# Altium PCB FMC_ADC_250M_16B_4ch_pcb.PcbDoc (part 5 of 8)
Units mm, origin at the board's own origin, x right, y up, seen from the top; angles counter-clockwise.
Board outline 76.75 x 69 mm, 8 copper layers (Top Layer, GND(SMAGND), L3, GND, L5, GND (Plane2), Power, Bottom Layer), stack 1.363 mm thick; 374 components, 427 nets, 2157 pads, 1340 vias.
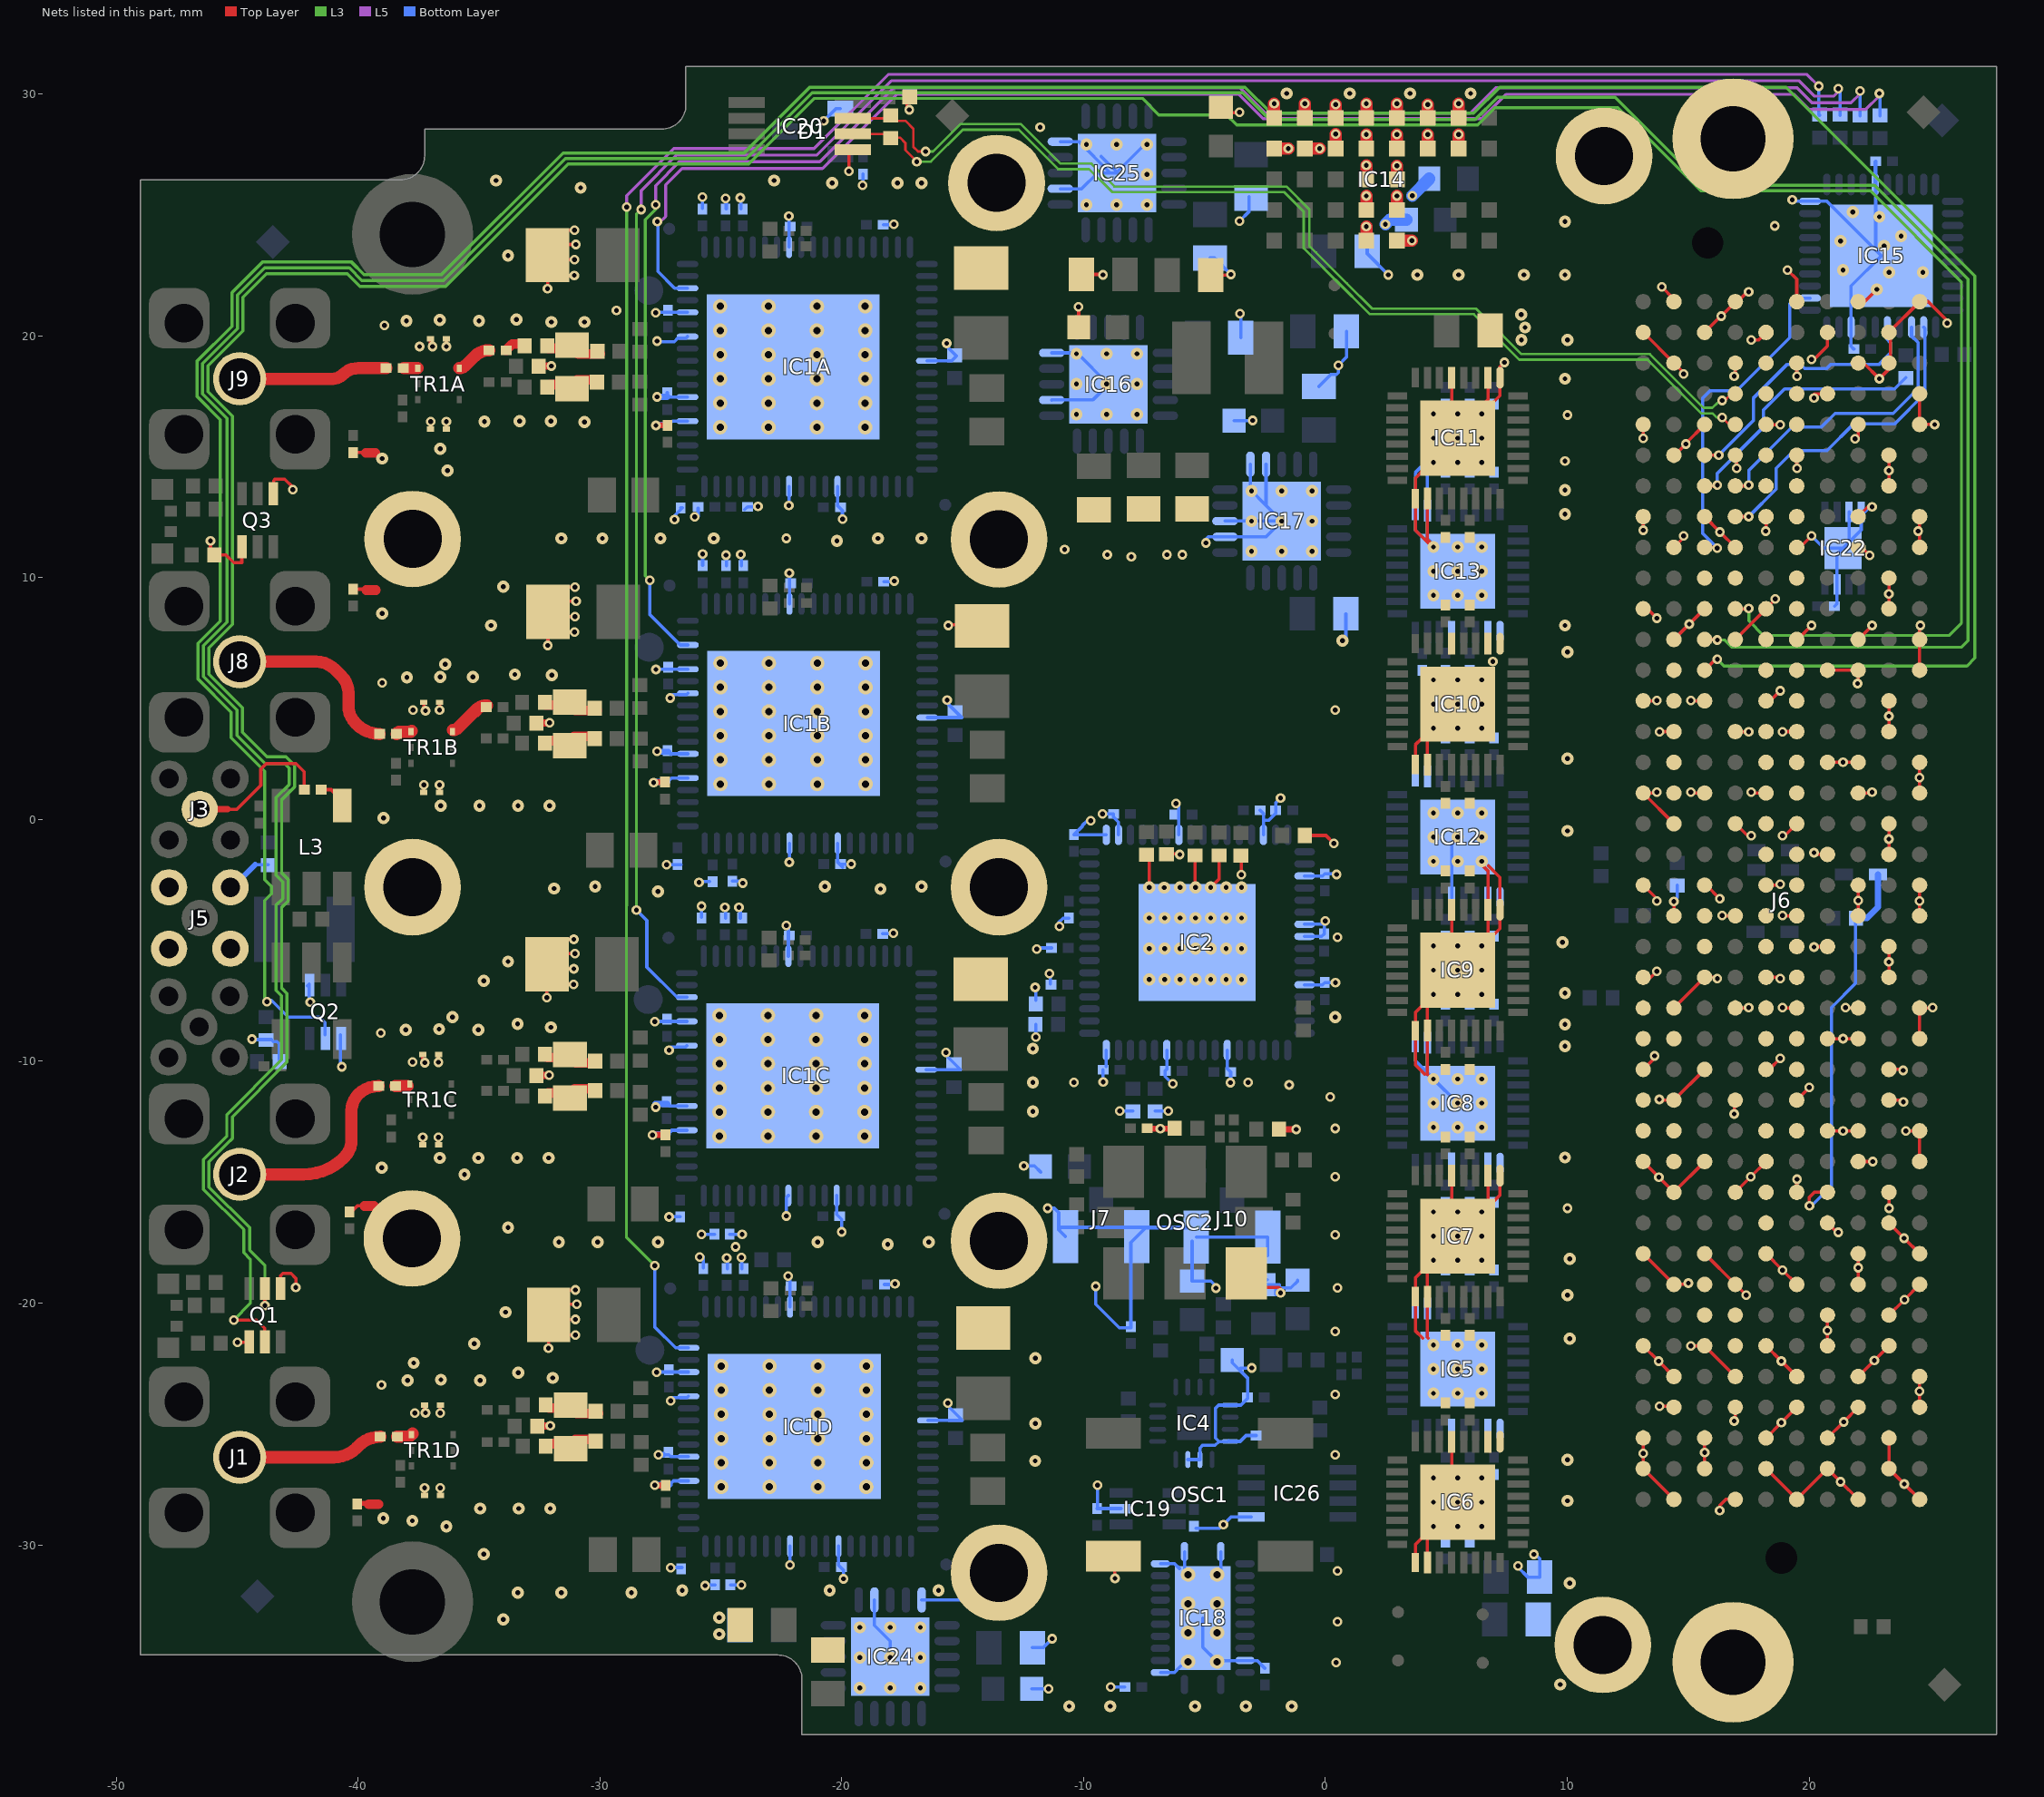
[diagram p11: the nets of this part, all layers, seen from the top]

## Via types
v1: diameter 0.4, hole 0.2, Top Layer to Bottom Layer, tented both sides, 961 vias
v2: diameter 0.5, hole 0.2, Top Layer to Bottom Layer, tented both sides, 351 vias
v3: diameter 0.4, hole 0.2, Top Layer to Bottom Layer, 13 vias
v4: diameter 0.5, hole 0.25, Top Layer to Bottom Layer, tented both sides, 8 vias
v5: diameter 0.6, hole 0.3, Top Layer to Bottom Layer, tented both sides, 7 vias

## Nets (pads, with @x,y where several pads share a name; then routed paths per layer and width w, separated by ;. In a path a pad name is that pad's centre, name@x,y a point inside that pad or via, vN(x,y) a via of type N, cw(c..) or ccw(c..) an arc to the next point about the centre after c; other vN are vias at no path point) (continued)
GND: B1.1 B4.1 B5.1 B6.1 B7.1 B8.1 B9.1 B10.1 B11.1 B14.1 B15.1 B16.1 C1A.1 C1B.1 C1C.1 C1D.1 C2A.1 C2B.1 C2C.1 C2D.1 C3A.1 C3B.1 C3C.1 C3D.1 C4A.1 C4B.1 C4C.1 C4D.1 C5A.1 C5B.1 C5C.1 C5D.1 C6A.1 C6B.1 C6C.1 C6D.1 C9A.2 C9B.2 C9C.2 C9D.2 C10A.1 C10B.1 C10C.1 C10D.1 C11A.1 C11B.1 C11C.1 C11D.1 C12A.1 C12B.1 C12C.1 C12D.1 C13A.2 C13B.2 C13C.2 C13D.2 C18A.2 C18B.2 C18C.2 C18D.2 C22.1 C23.1 C24A.1 C24B.1 C24C.1 C24D.1 C25.2 C26.1 C27.1 C28.1 C29.1 C30.1 C31.1 C32.1 C33.1 C34.1 C35.1 C36.2 C37.1 C38.2 C39.2 C40.2 C41.2 C42.2 C43.2 C44.2 C45.2 C46.2 C47.1 C48.1 C49.1 C50.1 C52.2 C55.1 C56A.1 C56B.1 C56C.1 C56D.1 C59.1 C62.1 C63.2 C64.1 C65.1 C66.1 C67.1 C68.1 C69.2 C70.2 C71.2 C72.2 C73.2 C74.2 C75.2 C76.2 C77.2 C78.1 C79.1 C80.1 C81.1 C82.1 C83.1 C84.1 C85.1 C86.1 C87.1 C88.1 C89.1 C90.1 C91.1 C92.1 C93.1 C94.1 C95.1 C96.1 C97.1 C98.1 C99.1 C100.1 C101.1 C102.1 C103.1 C104.1 C105.1 C106.1 C107.1 C108.1 C109.1 C110.1 C111.1 C112.1 C113.1 C114.1 C115.1 C116.1 C117.1 C118.1 C119.1 C120.1 C121.1 C122.1 C123.2 C125.2 C126.2 C127.1 C128.2 C129.1 C130.1 C131.2 C132.2 C133A.1 C133B.1 C133C.1 C133D.1 D1.1 IC1A.5 IC1A.7 IC1A.12 IC1A.14 IC1A.26 IC1A.45 IC1A.61 IC1A.65 IC1A.73 IC1B.5 IC1B.7 IC1B.12 IC1B.14 IC1B.26 IC1B.45 IC1B.61 IC1B.65 IC1B.73 IC1C.5 IC1C.7 IC1C.12 IC1C.14 IC1C.26 IC1C.45 IC1C.61 IC1C.65 IC1C.73 IC1D.5 IC1D.7 IC1D.12 IC1D.14 IC1D.26 IC1D.45 IC1D.61 IC1D.65 IC1D.73 IC2.3 IC2.7 IC2.8 IC2.12 IC2.22 IC2.27 IC2.32 IC2.49 IC2.50 IC2.55 IC2.62 IC2.65 IC4.9 IC4.12 IC4.14 IC4.15 IC5.0 IC5.1 IC5.2 IC5.5 IC5.17 IC5.18 IC6.0 IC6.1 IC6.2 IC6.5 IC6.17 IC6.18 IC7.0 IC7.1 IC7.2 IC7.5 IC7.17 IC7.18 IC8.0 IC8.1 IC8.2 IC8.5 IC8.17 IC8.18 IC9.0 IC9.1 IC9.2 IC9.5 IC9.17 IC9.18 IC10.0 IC10.1 IC10.2 IC10.5 IC10.17 IC10.18 IC11.0 IC11.1 IC11.2 IC11.5 IC11.17 IC11.18 IC12.0 IC12.1 IC12.2 IC12.5 IC12.17 IC12.18 IC13.0 IC13.1 IC13.2 IC13.5 IC13.17 IC13.18 IC14.B1 IC14.B2 IC14.C1 IC14.C2 IC14.D1 IC14.D2 IC14.D3 IC14.D4 IC14.D5 IC14.E1 IC14.E2 IC14.E3 IC14.E4 IC14.E5 IC14.F1 IC14.F2 IC14.G1 IC14.G2 IC14.H1 IC14.H2 IC15.10 IC15.15 IC15.38 IC15.41 IC16.7 IC16.10 IC16.21 IC17.7 IC17.8 IC17.11 IC17.12 IC17.21 IC18.2 IC18.11 IC18.12 IC18.13 IC18.22 IC18.25 IC19.2 IC20.5 IC22.3 IC22.4 IC22.7 IC22.9 IC24.7 IC24.10 IC24.21 IC25.7 IC25.10 IC25.21 IC26.1 J5.2 J6.a1 J6.a4 J6.a5 J6.a8 J6.a9 J6.a12 J6.a13 J6.a16 J6.a17 J6.a20 J6.a21 J6.a24 J6.a25 J6.a28 J6.a29 J6.a32 J6.a33 J6.a36 J6.a37 J6.a40 J6.b2 J6.b3 J6.b6 J6.b7 J6.b10 J6.b11 J6.b14 J6.b15 J6.b18 J6.b19 J6.b22 J6.b23 J6.b26 J6.b27 J6.b30 J6.b31 J6.b34 J6.b35 J6.b38 J6.b39 J6.c1 J6.c4 J6.c5 J6.c8 J6.c9 J6.c12 J6.c13 J6.c16 J6.c17 J6.c20 J6.c21 J6.c24 J6.c25 J6.c28 J6.c29 J6.c32 J6.c33 J6.c36 J6.c38 J6.c40 J6.d2 J6.d3 J6.d6 J6.d7 J6.d10 J6.d13 J6.d16 J6.d19 J6.d22 J6.d25 J6.d28 J6.d37 J6.d39 J6.e1 J6.e4 J6.e5 J6.e8 J6.e11 J6.e14 J6.e17 J6.e20 J6.e23 J6.e26 J6.e29 J6.e32 J6.e35 J6.e38 J6.e40 J6.f2 J6.f3 J6.f6 J6.f9 J6.f12 J6.f15 J6.f18 J6.f21 J6.f24 J6.f27 J6.f30 J6.f33 J6.f36 J6.f39 J6.g1 J6.g4 J6.g5 J6.g8 J6.g11 J6.g14 J6.g17 J6.g20 J6.g23 J6.g26 J6.g29 J6.g32 J6.g35 J6.g38 J6.g40 J6.h2 J6.h3 J6.h6 J6.h9 J6.h12 J6.h15 J6.h18 J6.h21 J6.h24 J6.h27 J6.h30 J6.h33 J6.h36 J6.h39 J6.j1 J6.j4 J6.j5 J6.j8 J6.j11 J6.j14 J6.j17 J6.j20 J6.j23 J6.j26 J6.j29 J6.j32 J6.j35 J6.j38 J6.j40 J6.k2 J6.k3 J6.k6 J6.k9 J6.k12 J6.k15 J6.k18 J6.k21 J6.k24 J6.k27 J6.k30 J6.k33 J6.k36 J6.k39 J7.2 J10.2 OSC1.2 OSC2.3 Q1.1 Q1.4 Q2.1 Q2.4 Q3.1 Q3.4 R1A.2 R1B.2 R1C.2 R1D.2 R3A.2 R3B.2 R3C.2 R3D.2 R14.2 R15.2 R17.2 R18.2 R19.2 R20.2 R21.2 R23.2 R24.2 R28.2 R29.2 R30.2 R31.2 R36.2 R43.2 R44.2 R49.1 R65.1 TR1A.4 TR1A.5 TR1A.9 TR1A.10 TR1B.4 TR1B.5 TR1B.9 TR1B.10 TR1C.4 TR1C.5 TR1C.9 TR1C.10 TR1D.4 TR1D.5 TR1D.9 TR1D.10 | length 476.1
  Top Layer w0.135: v1(-46.1,11.52) -46.1,11.092 R65.1@-45.956,10.947 ; R65.1@-45.898,10.947 -45.466,10.947 -45.136,10.617 -44.806,10.617 -44.806,11.638 cw(c-44.785,11.638) Q3.4@-44.785,11.659 ; v1(-44.983,-21.615) Q1.4@-44.505,-21.615 ; Q3.1@-43.485,13.428 -43.485,14.021 -43.434,14.072 -43.028,14.072 -42.697,13.741 v1(-42.697,13.64) ; Q1.1@-43.205,-19.515 -43.205,-18.872 -43.104,-18.771 -42.774,-18.771 -42.57,-18.974 v1(-42.57,-19.355) ; C56C.1@-40.3,-16.25 -40.025,-15.975 -39.375,-15.975 ; C56B.1@-40.2,9.525 -39.264,9.525 ; C56A.1@-40.2,15.175 -39.686,15.175 ; v1@-37.324,-10.036 -37.324,-9.726 TR1C.10@-37.318,-9.721 ; TR1C.4@-37.318,-13.451 v1(-37.318,-13.14) ; v1@-37.281,4.531 -37.281,4.841 TR1B.10@-37.276,4.846 ; TR1B.4@-37.276,1.116 v1(-37.276,1.427) ; v1@-37.254,-24.536 -37.254,-24.226 TR1D.10@-37.248,-24.221 ; TR1D.4@-37.248,-27.951 v1(-37.248,-27.64) ; v1@-37.003,19.564 -37.003,19.874 TR1A.10@-36.998,19.88 ; TR1A.4@-36.998,16.15 v1(-36.998,16.46) ; TR1C.5@-36.668,-13.451 v1(-36.668,-13.14) ; v1(-36.668,-10.041) TR1C.9@-36.668,-9.721 ; TR1B.5@-36.626,1.116 v1(-36.626,1.427) ; v1(-36.626,4.525) TR1B.9@-36.626,4.846 ; TR1D.5@-36.598,-27.951 v1(-36.598,-27.64) ; v1(-36.598,-24.541) TR1D.9@-36.598,-24.221 ; TR1A.5@-36.348,16.15 v1(-36.348,16.46) ; v1(-36.348,19.559) TR1A.9@-36.348,19.88 ; v1(-32.193,-7.369) -32.186,-7.363 C13C.2@-32.186,-5.982 ; v1(-32.164,21.952) -32.158,21.958 C13A.2@-32.158,23.338 ; v1(-32.15,7.198) -32.144,7.204 C13B.2@-32.144,8.584 ; v1(-32.123,-21.869) -32.116,-21.863 C13D.2@-32.116,-20.482 ; v1(-31.085,-6.82) -31.349,-6.82 C13C.2@-32.186,-5.982 ; v1(-31.075,-6.175) -31.431,-6.175 -31.624,-5.982 C13C.2@-32.127,-5.982 ; v1(-31.075,-4.956) -31.355,-4.956 -32.186,-5.788 C13C.2@-32.186,-5.982 ; v1(-31.056,22.501) -31.32,22.501 C13A.2@-32.158,23.338 ; v1(-31.047,23.145) -31.402,23.145 -31.595,23.338 C13A.2@-32.098,23.338 ; v1(-31.047,24.365) -31.326,24.365 -32.158,23.533 C13A.2@-32.158,23.338 ; v1(-31.042,7.747) -31.306,7.747 C13B.2@-32.144,8.584 ; v1(-31.033,8.391) -31.388,8.391 -31.581,8.584 C13B.2@-32.084,8.584 ; v1(-31.033,9.611) -31.312,9.611 -32.144,8.779 C13B.2@-32.144,8.584 ; v1(-31.024,-5.54) -31.685,-5.54 C13C.2@-32.127,-5.982 ; v1(-31.015,-21.32) -31.279,-21.32 C13D.2@-32.116,-20.482 ; v1(-31.005,-20.675) -31.361,-20.675 -31.554,-20.482 C13D.2@-32.057,-20.482 ; v1(-31.005,-19.456) -31.285,-19.456 -32.116,-20.288 C13D.2@-32.116,-20.482 ; v1(-30.996,23.78) -31.656,23.78 C13A.2@-32.098,23.338 ; v1(-30.982,9.026) -31.642,9.026 C13B.2@-32.084,8.584 ; v1(-30.954,-20.04) -31.615,-20.04 C13D.2@-32.057,-20.482 ; v1(-27.821,-13.048) v1@-27.821,-13.039 ; v1(-27.775,1.525) v1@-27.756,1.544 ; C18A.2@-27.356,16.301 C18A.2@-27.203,16.301 ; v1(-19.699,26.811) -19.699,27.504 IC20.5@-19.506,27.697 ; C131.2@-17.292,29.885 -17.292,29.442 v1(-17.2,29.35) ; v1@-15.708,-9.604 v1(-15.683,-9.63) ; v1@-15.68,19.716 v1(-15.654,19.691) ; v1@-15.666,4.962 v1(-15.64,4.937) ; v1@-15.638,-24.104 v1(-15.613,-24.13) ; v1(-15.594,8.025) cw(c-15.514,7.945) -15.514,8.058 C9B.2@-14.163,8.058 ; v1(-10.211,21.197) -10.211,21.12 -10.198,21.108 C126.2@-10.198,20.358 ; C43.2@-10.095,22.543 -9.211,22.543 v1(-9.194,22.525) ; v1@-9.017,10.897 v1(-9.017,10.947) ; OSC1.2@-8.761,-30.459 -8.701,-30.519 v1(-8.701,-31.38) ; R18.2@-7.391,-1.441 -7.279,-1.553 v2(-7.279,-2.805) ; R17.2@-6.579,-1.415 -6.052,-1.415 v1(-6.02,-1.448) ; v1@-6.553,10.897 v1(-6.553,10.947) ; R15.2@-5.385,-1.466 -5.385,-2.794 v2(-5.374,-2.805) ; v2(-4.739,-2.805) -4.394,-2.461 R14.2@-4.394,-1.466 ; C45.2@-4.739,22.517 -3.937,22.517 v1(-3.912,22.543) ; C69.2@-4.356,29.223 -3.683,29.223 -3.607,29.299 v1(-3.55,29.242) ; v1(-3.48,-2.286) R30.2@-3.48,-1.5 ; OSC2.3@-3.265,-18.773 -2.694,-19.345 -1.923,-19.345 -1.85,-19.418 v1(-1.85,-19.576) ; R29.2@-0.871,-0.66 0.025,-0.66 v1(0.356,-0.991) ; IC6.17@3.721,-30.729 3.721,-29.982 IC6.0@3.999,-29.704 ; IC10.17@3.721,2.271 3.721,3.089 IC10.0@3.999,3.367 ; IC7.0@3.974,-18.705 3.721,-18.958 IC7.17@3.721,-19.729 3.721,-21.145 4.024,-21.449 ; IC9.0@4.075,-7.631 3.721,-7.985 IC9.17@3.721,-8.729 3.721,-10.147 4.101,-10.527 ; IC6.0@4.202,-29.602 4.221,-29.621 IC6.18@4.221,-30.729 ; IC10.18@4.221,2.271 4.221,3.411 IC10.0@4.253,3.443 ; IC11.18@4.221,13.271 4.221,11.578 v2@4.5,11.299 ; IC11.0@4.221,14.587 IC11.0@4.355,14.721 ; 4.228,-10.552 4.221,-10.545 IC9.18@4.221,-8.729 4.221,-7.714 IC9.0@4.253,-7.682 ; 4.253,-21.449 4.221,-21.417 IC7.18@4.221,-19.729 4.221,-18.636 IC7.0@4.278,-18.578 ; IC11.0@4.329,14.721 3.721,14.113 IC11.17@3.721,13.271 3.721,11.976 v2@4.431,11.267 ; IC9.0@5.142,-4.837 5.221,-4.758 IC9.5@5.221,-3.729 ; IC6.0@5.218,-26.859 5.221,-26.856 IC6.5@5.221,-25.729 ; IC7.0@5.218,-15.835 5.221,-15.832 IC7.5@5.221,-14.729 ; IC11.5@5.221,18.271 5.221,17.129 5.471,16.879 v2(5.471,16.771) IC11.0@5.471,16.102 ; v2@6.437,-1.84 6.721,-2.123 IC9.2@6.721,-3.729 6.721,-4.782 IC9.0@6.615,-4.888 ; IC7.0@6.564,-15.911 6.721,-15.755 IC7.2@6.721,-14.729 ; IC11.2@6.721,18.271 6.721,17.352 IC11.0@5.471,16.102 ; 6.742,-1.916 7.221,-2.395 IC9.1@7.221,-3.729 7.221,-4.511 IC9.0@6.92,-4.812 ; IC7.0@6.818,-15.937 7.221,-15.534 IC7.1@7.221,-14.729 ; v1(7.409,18.904) 7.221,18.716 IC11.1@7.221,18.271 7.221,17.521 v2(5.471,15.771) IC11.0@5.471,16.102 ; J6.k3@13.141,-25.575 v1(13.141,-26.21) J6.k2@13.141,-26.845 J6.j1@14.411,-28.115 ; J6.k6@13.141,-21.765 v1(13.776,-22.4) J6.j5@14.411,-23.035 ; J6.k9@13.141,-17.955 J6.j8@14.411,-19.225 14.956,-19.225 v1(15.006,-19.175) ; J6.k12@13.141,-14.145 v1(13.789,-14.793) J6.j11@14.411,-15.415 J6.h12@15.681,-14.145 ; J6.k15@13.141,-10.335 13.606,-9.87 v1(13.606,-9.775) ; J6.k18@13.141,-6.525 13.456,-6.525 v1(13.706,-6.275) ; J6.k21@13.141,-2.715 13.706,-3.28 v1(13.706,-3.375) ; J6.k27@13.141,4.905 13.686,4.905 v1(13.706,4.925) ; J6.k30@13.141,8.715 13.316,8.715 v1(13.706,8.325) ; v1(13.141,11.96) J6.k33@13.141,12.525 ; v1(13.141,15.76) J6.k36@13.141,16.335 ; J6.k39@13.141,20.145 J6.j38@14.411,18.875 14.806,18.48 v1(14.806,18.425) ; v1(13.706,1.125) 13.746,1.125 13.776,1.095 J6.k24@13.141,1.095 J6.j23@14.411,-0.175 ; v1(13.806,-11.575) 13.836,-11.605 J6.j14@14.411,-11.605 J6.h15@15.681,-10.335 ; v1(13.814,-24.268) 14.374,-24.268 J6.j4@14.411,-24.305 ; v1(13.814,3.625) 13.814,3.632 13.816,3.635 J6.j26@14.411,3.635 ; v1(13.906,22.025) 14.411,21.52 J6.j40@14.411,21.415 ; v1(14.406,-3.387) 14.406,-3.385 14.411,-3.38 J6.j20@14.411,-3.985 ; J6.j17@14.411,-7.795 J6.h18@15.681,-6.525 16.156,-6.525 v1(16.206,-6.575) ; J6.j29@14.411,7.445 v1(15.046,8.08) J6.h30@15.681,8.715 ; J6.j32@14.411,11.255 14.806,11.65 v1(14.806,11.725) ; J6.j35@14.411,15.065 14.446,15.065 v1(14.906,15.525) 14.906,15.56 J6.h36@15.681,16.335 ; v1(15.106,-21.775) 15.116,-21.765 J6.h6@15.681,-21.765 J6.g5@16.951,-23.035 ; v1(15.106,1.125) 15.136,1.095 J6.h24@15.681,1.095 ; v1(15.106,4.925) 15.126,4.905 J6.h27@15.681,4.905 ; J6.h2@15.681,-26.845 v1(15.681,-26.181) J6.h3@15.681,-25.575 ; J6.h9@15.681,-17.955 J6.g8@16.951,-19.225 17.401,-19.675 v1(17.406,-19.675) ; J6.h21@15.681,-2.715 15.746,-2.715 v1(16.306,-3.275) ; J6.h33@15.681,12.525 v1(16.316,11.89) J6.g32@16.951,11.255 ; J6.h39@15.681,20.145 16.343,20.807 v1@16.343,20.817 ; v1(16.306,-28.575) 16.306,-28.375 16.566,-28.115 J6.g1@16.951,-28.115 ; v1(16.369,20.817) 16.951,21.4 J6.g40@16.951,21.415 17.043,21.415 v1@17.512,21.884 ; v1(16.406,-3.975) 16.416,-3.985 J6.g20@16.951,-3.985 ; v1(16.906,-24.875) 16.906,-24.885 16.951,-24.93 J6.g4@16.951,-24.305 ; v1(16.906,-12.175) 16.906,-11.65 J6.g14@16.951,-11.605 ; v1(16.906,18.325) 16.951,18.37 J6.g38@16.951,18.875 ; J6.g11@16.951,-15.415 v1(17.586,-14.78) J6.f12@18.221,-14.145 ; J6.g17@16.951,-7.795 17.586,-7.795 17.566,-7.775 v1(17.506,-7.775) ; J6.g23@16.951,-0.175 17.451,-0.675 v1(17.606,-0.675) ; J6.g26@16.951,3.635 16.961,3.625 v1(17.506,3.625) ; J6.g29@16.951,7.445 J6.f30@18.221,8.715 18.606,9.1 v1(18.606,9.125) ; J6.g35@16.951,15.065 17.006,15.01 v1(17.006,14.525) ; v1(17.606,1.125) 17.636,1.095 J6.f24@18.221,1.095 ; v1(17.606,19.825) 17.901,19.825 J6.f39@18.221,20.145 ; v1(18.206,11.927) 18.209,11.927 18.221,11.94 J6.f33@18.221,12.525 ; J6.f2@18.221,-26.845 J6.e1@19.491,-28.115 J6.d2@20.761,-26.845 v1(21.306,-27.39) J6.c1@22.031,-28.115 ; J6.f3@18.221,-25.575 v1(18.856,-24.94) J6.e4@19.491,-24.305 ; J6.f6@18.221,-21.765 v1(18.856,-22.4) J6.e5@19.491,-23.035 ; J6.f9@18.221,-17.955 v1(18.906,-18.64) J6.e8@19.491,-19.225 ; J6.f15@18.221,-10.335 18.346,-10.335 v1(18.806,-9.875) ; J6.f18@18.221,-6.525 18.756,-6.525 v1(18.806,-6.575) ; J6.f21@18.221,-2.715 18.766,-2.715 v1(18.806,-2.675) ; J6.f27@18.221,4.905 18.386,4.905 v1(18.806,5.325) ; J6.f36@18.221,16.335 18.231,16.325 v1(18.806,16.325) ; v1(18.906,-7.775) 18.926,-7.795 J6.e17@19.491,-7.795 ; v1(18.906,-3.975) 18.916,-3.985 J6.e20@19.491,-3.985 ; v1(18.906,-0.675) 18.991,-0.675 J6.e23@19.491,-0.175 ; v1(18.906,3.625) 18.916,3.635 J6.e26@19.491,3.635 ; v1(19.106,22.725) 19.491,22.34 J6.e40@19.491,21.415 ; J6.e11@19.491,-15.415 19.491,-14.89 v1(19.506,-14.875) ; J6.e14@19.491,-11.605 20.006,-11.09 v1(20.006,-11.075) ; J6.e29@19.491,7.445 19.526,7.445 v1(20.106,8.025) ; J6.e32@19.491,11.255 19.636,11.255 v1(20.106,11.725) ; J6.e35@19.491,15.065 19.491,14.44 19.506,14.455 v1(19.506,14.525) ; J6.e38@19.491,18.875 19.491,18.34 v1(19.506,18.325) ; v1(20.106,19.025) 20.206,19.025 20.761,19.58 J6.d39@20.761,20.145 ; v1(20.206,-5.275) 20.226,-5.255 J6.d19@20.761,-5.255 ; v1(20.206,-1.375) 20.276,-1.445 J6.d22@20.761,-1.445 ; v1(20.206,17.435) 20.206,17.585 20.226,17.605 J6.d37@20.761,17.605 ; J6.d3@20.761,-25.575 v1(21.427,-24.909) J6.c4@22.031,-24.305 ; J6.d6@20.761,-21.765 v1(20.761,-21.127) J6.d7@20.761,-20.495 ; J6.d10@20.761,-16.685 21.151,-17.075 v1(21.206,-17.075) ; J6.d13@20.761,-12.875 v1(21.406,-12.875) J6.c13@22.031,-12.875 ; J6.d16@20.761,-9.065 v1(21.406,-9.065) J6.c16@22.031,-9.065 ; J6.d25@20.761,2.365 v1(21.406,2.365) J6.c25@22.031,2.365 ; J6.d28@20.761,6.175 J6.c28@22.031,6.175 22.031,5.55 22.006,5.575 v1(22.006,5.625) ; v1(21.506,-7.775) 21.526,-7.795 J6.c17@22.031,-7.795 ; v1(21.906,15.737) 21.919,15.737 22.031,15.85 J6.c36@22.031,16.335 ; J6.c5@22.031,-23.035 v1(22.697,-22.369) J6.b6@23.301,-21.765 ; J6.c8@22.031,-19.225 v1(22.031,-18.536) J6.c9@22.031,-17.955 ; J6.c12@22.031,-14.145 22.576,-14.145 22.606,-14.175 22.631,-14.15 v1(22.631,-14.148) ; J6.c20@22.031,-3.985 v1(22.031,-3.35) J6.c21@22.031,-2.715 ; J6.c24@22.031,1.095 22.576,1.095 v1(22.606,1.125) ; J6.c29@22.031,7.445 22.606,8.02 v1(22.606,8.025) ; J6.c32@22.031,11.255 22.176,11.255 v1(22.506,10.925) ; J6.c33@22.031,12.525 22.431,12.925 v1@22.506,12.925 ; J6.c38@22.031,18.875 22.256,18.875 v1(22.906,18.225) 23.301,18.62 J6.b38@23.301,18.875 23.358,18.932 23.358,20.088 J6.b39@23.301,20.145 J6.a40@24.571,21.415 24.916,21.415 v1@25.706,20.625 ; J6.c40@22.031,21.415 22.296,21.415 v2(22.806,21.925) ; J6.b3@23.301,-25.575 J6.b2@23.301,-26.845 v1(23.936,-27.48) J6.a1@24.571,-28.115 ; J6.b7@23.301,-20.495 v1(23.944,-19.852) J6.a8@24.571,-19.225 ; J6.b10@23.301,-16.685 v1(23.933,-17.317) J6.a9@24.571,-17.955 ; J6.b11@23.301,-15.415 23.301,-16.07 v1(23.306,-16.075) ; J6.b14@23.301,-11.605 23.836,-11.605 23.899,-11.668 v1(23.899,-11.682) ; J6.b15@23.301,-10.335 23.846,-10.335 v1(23.886,-10.375) ; J6.b18@23.301,-6.525 v1(23.301,-5.89) J6.b19@23.301,-5.255 ; J6.b22@23.301,-1.445 v1(23.301,-0.81) J6.b23@23.301,-0.175 ; J6.b26@23.301,3.635 v1(23.301,4.27) J6.b27@23.301,4.905 ; J6.b30@23.301,8.715 v1(23.301,9.325) J6.b31@23.301,9.985 ; J6.b34@23.301,13.795 v1(23.301,14.425) J6.b35@23.301,15.065 ; v1(24.006,-12.875) J6.a13@24.571,-12.875 J6.a12@24.571,-14.145 ; v1(24.506,11.925) v1@24.571,11.99 ; J6.a4@24.571,-24.305 v1(24.571,-23.641) J6.a5@24.571,-23.035 ; J6.a16@24.571,-9.065 J6.a17@24.571,-7.795 25.086,-7.795 v1(25.106,-7.775) ; J6.a20@24.571,-3.985 v1(24.571,-3.375) J6.a21@24.571,-2.715 ; J6.a24@24.571,1.095 v1(24.571,1.73) J6.a25@24.571,2.365 ; J6.a28@24.571,6.175 J6.a29@24.571,7.445 24.571,7.99 v1(24.606,8.025) ; J6.a32@24.571,11.255 v1@24.571,11.99 ; J6.a33@24.571,12.525 v1@24.571,11.99 ; J6.a37@24.571,17.605 J6.a36@24.571,16.335 v1(25.196,16.335) ; C13C.2@-32.186,-5.982 C13C.2@-32.127,-5.982 ; C13A.2@-32.158,23.338 C13A.2@-32.098,23.338 ; C13B.2@-32.144,8.584 C13B.2@-32.084,8.584 ; C13D.2@-32.116,-20.482 C13D.2@-32.057,-20.482
  Top Layer w0.2: -39.825,-28.275 -39.2,-28.275
  Top Layer w0.254: v1@-44.413,-9.079 v1(-44.388,-9.079) ; v1@-27.821,-13.039 C18C.2@-27.284,-13.039 ; v1@-27.756,1.544 C18B.2@-27.308,1.544 ; v1@-27.716,-27.542 C18D.2@-27.283,-27.542 ; v1@-27.581,16.301 C18A.2@-27.356,16.301 ; C63.2@-7.36,-12.762 -7.335,-12.787 v1(-6.821,-12.787) R36.2@-6.103,-12.787 ; R31.2@-1.799,-12.813 v1(-1.208,-12.813)
  Top Layer w0.3: R3B.2@-32.505,3.999 v1@-32.162,3.999 ; R3C.2@-32.487,-10.575 v1@-32.144,-10.575 ; R3D.2@-32.462,-25.075 v1@-32.119,-25.075 ; R3A.2@-32.41,18.745 v1@-32.068,18.745
  Top Layer w0.4: -39.734,-15.986 -39.343,-15.986 ; -39.675,15.164 -39.284,15.164 ; -39.65,9.489 -39.259,9.489 ; -39.55,-28.311 -39.159,-28.311
  Top Layer w0.508: IC14.H2@-2.116,27.743 v1(-1.532,27.743) ; IC14.H1@-2.116,29.013 v1(-2.116,29.597) ; IC14.G2@-0.846,27.743 v1(-0.237,27.743) ; IC14.G1@-0.846,29.013 v1(-0.846,29.597) ; IC14.F2@0.424,27.743 v1(0.424,28.352) ; IC14.F1@0.424,29.013 v1(0.424,29.572) ; IC14.E5@1.694,23.933 v1(1.694,24.517) ; IC14.E4@1.694,25.203 v1(1.694,25.787) ; IC14.E3@1.694,26.473 v1(1.694,27.057) ; IC14.E2@1.694,27.743 v1(1.694,28.327) ; IC14.E1@1.694,29.013 v1(1.694,29.597) ; IC14.D5@2.964,23.933 v1(3.573,23.933) ; IC14.D4@2.964,25.203 v1(2.964,25.787) ; IC14.D3@2.964,26.473 v1(2.964,27.032) ; IC14.D2@2.964,27.743 v1(2.964,28.327) ; IC14.D1@2.964,29.013 v1(2.964,29.597) ; IC14.C2@4.234,27.743 v1(4.234,28.327) ; IC14.C1@4.234,29.013 v1(4.234,29.572) ; IC14.B2@5.504,27.743 v1(5.504,28.327) ; IC14.B1@5.504,29.013 v1(5.504,29.597)